# Altium PCB WunderBar_v102b _flip.PcbDoc (part 2 of 7)
Units mil, origin at the board's own origin, x right, y up, seen from the top; angles counter-clockwise.
Board outline 4556.01 x 1552 mil, 4 copper layers (Top, Route2, Route15, Bottom), stack 52.756 mil thick; 380 components, 258 nets, 1391 pads, 528 vias.
Unrouted connection lines stored in the file: 8.
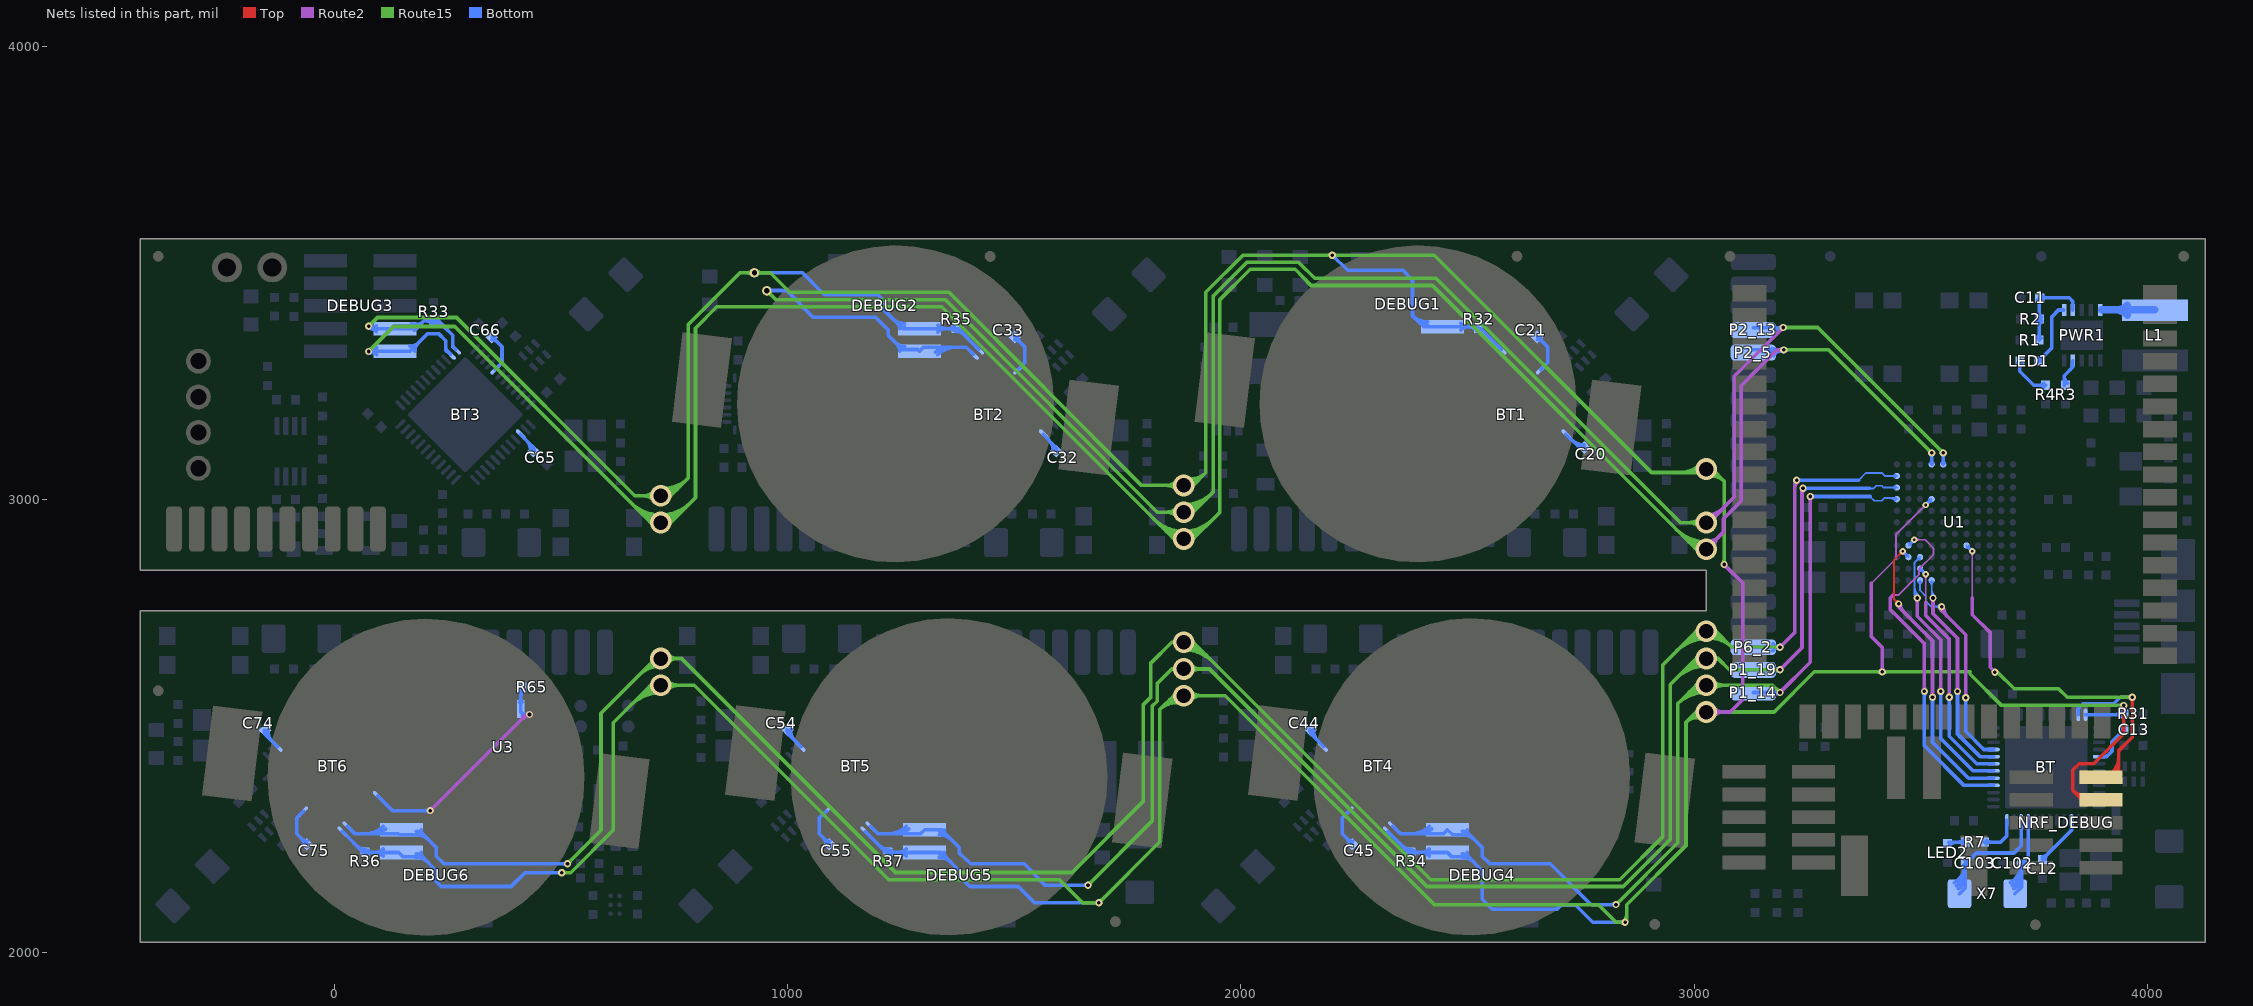
[diagram p4: the nets of this part, all layers, seen from the top]

## Via types
v1: diameter 16, hole 8, Top to Bottom, tented both sides, 282 vias
v2: diameter 24, hole 12, Top to Bottom, tented both sides, 135 vias
v3: diameter 14, hole 6, Top to Bottom, tented both sides, 34 vias
v4: diameter 48/41/41/48 (per signal layer), hole 32, Top to Bottom, 30 vias
v5: diameter 16, hole 8, Top to Route2, tented top, 18 vias
v6: diameter 21/21/21/21 (per signal layer), hole 12, Top to Bottom, tented both sides, 15 vias
v7: diameter 24, hole 12, Top to Route2, tented top, 12 vias
v8: diameter 21/21/21/21 (per signal layer), hole 12, Top to Bottom, 1 vias
v9: diameter 24, hole 8, Top to Bottom, tented both sides, 1 vias

## Nets (pads, with @x,y where several pads share a name; then routed paths per layer and width w, separated by ;. In a path a pad name is that pad's centre, name@x,y a point inside that pad or via, vN(x,y) a via of type N, cw(c..) or ccw(c..) an arc to the next point about the centre after c; other vN are vias at no path point) (continued)
BT2_SWDIO: BT2.23 DEBUG2.2 P2_13.1 U1.A7 | length 5381.5
  Route2 w8: v4@3026.52,2957.98 ccw(c3026.52,2992.99) 3051.27,2968.23 ; v4@3026.52,2965.98 ccw(c3026.52,3020.3) 3064.93,2981.89 ; v4@3032.48,2949.48 3047,2964 ; v4@3039.52,2956.48 3088.72,3005.68 3088.72,3272.16 v1(3196.52,3379.96) ; v4@3043.02,2949.48 cw(c3068.37,2949.48) 3050.44,2967.4 ; v1@3192.52,3379.96 cw(c3182.86,3379.96) 3189.69,3373.13 cw(c3196.52,3366.3) v1@3196.52,3375.96
  Route15 w8: v6@953.52,3454.98 cw(c953.52,3439.29) 964.62,3450.38 cw(c975.71,3461.48) v6@960.02,3461.48 ; v6(953.52,3461.48) 973.52,3441.48 1347.52,3441.48 1815.52,2972.48 v4(1873.52,2972.48) v4@1894.52,2972.48 ; v4@1861.85,2960.81 ccw(c1833.69,2932.65) 1833.69,2972.48 ccw(c1833.69,3012.31) v4@1861.85,2984.15 ; v4@1867.51,2966.47 ccw(c1853,2951.96) 1853,2972.48 ccw(c1853,2993) v4@1867.51,2978.49 ; v4@1873.52,2964.98 ccw(c1873.52,2997.57) v4@1896.57,2974.53 ; v4@1873.52,2972.98 ccw(c1873.52,3024.89) 1910.22,2988.18 ; v4@1873.52,2980.98 ccw(c1873.52,3052.2) 1923.88,3001.84 ; v4@1873.52,2988.98 ccw(c1873.52,3079.51) 1937.54,3015.5 ; v4@1889.55,2968.58 cw(c1894.52,2967.37) v4@1894.52,2972.48 ; v4@1889.55,2976.38 ccw(c1894.52,2977.59) v4@1894.52,2972.48 ; v4@3014.85,2937.81 ccw(c2986.69,2909.65) 2986.69,2949.48 ccw(c2986.69,2989.31) v4@3014.85,2961.15 ; v4@3020.51,2943.47 ccw(c3006,2928.96) 3006,2949.48 ccw(c3006,2970) v4@3020.51,2955.49 ; v4@3032.48,2949.48 v4(3026.52,2949.48) 2969.52,2949.48 2430.52,3488.48 2162.52,3488.48 2127.52,3523.48 2012.52,3523.48 1938.52,3449.48 1938.52,3016.48 v4@1894.52,2972.48 ; v1@3191.52,3379.96 3272.86,3379.96 v1(3549.64,3103.18) ; v1@3199.35,3377.13 cw(c3206.18,3370.3) 3206.18,3379.96 cw(c3206.18,3389.62) v1@3199.35,3382.79 ; v1@3545.64,3103.18 ccw(c3535.98,3103.18) 3542.81,3110.01 ccw(c3549.64,3116.84) v1@3549.64,3107.18
  Bottom w8: v6(953.52,3461.48) 997.52,3461.48 1055.52,3402.48 1193.52,3402.48 1221.52,3374.48 1221.52,3362.48 1252.52,3331.48 1286.52,3331.48 DEBUG2.2@1290.52,3327.48 1299.52,3336.48 1393.52,3336.48 BT2.23@1410.52,3320.48 ; v6@958.12,3456.88 cw(c969.21,3445.79) 969.21,3461.48 cw(c969.21,3477.17) v6@958.12,3466.08 ; 1236.68,3347.32 ccw(c1258.02,3368.66) DEBUG2.2@1258.02,3338.48 ; 1240.3,3343.7 cw(c1224.08,3327.48) DEBUG2.2@1247.02,3327.48 ; DEBUG2.2@1325.14,3325.36 cw(c1351.99,3298.51) 1351.99,3336.48 ; DEBUG2.2@1330.8,3319.7 cw(c1371.3,3279.2) 1371.3,3336.48 ; P2_13.1@3130.52,3379.48 3191.52,3379.48 ccw(c3191.52,3361.78) P2_13.1@3175.35,3368.98 ; P2_13.1@3172.57,3384.03 ccw(c3183.54,3395) 3183.54,3379.48 ; 3185.04,3377.74 cw(c3188.27,3365.68) v1@3194.52,3376.5 ; 3185.7,3379.48 ccw(c3185.7,3390.78) v1@3193.69,3382.79 ; 3188.02,3379.48 cw(c3188.02,3371.46) v1@3193.69,3377.13 ; v1@3546.81,3100.35 cw(c3539.98,3093.52) 3549.64,3093.52 cw(c3559.29,3093.52) v1@3552.46,3100.35 ; U1.A7@3547.51,3080.06 ccw(c3542.39,3085.18) 3549.64,3085.18 ccw(c3556.88,3085.18) U1.A7@3551.76,3080.06 ; U1.A7@3549.64,3077.94 v1(3549.64,3103.18)
BT3_SWDIO: BT3.23 DEBUG3.2 P2_5.1 U1.A8 | length 7310
  Route2 w8: v4(3026.52,2890.48) 3064.71,2928.67 3064.71,2957.67 3103.99,2996.95 3103.99,3251.99 3182.48,3330.48 v1(3197.52,3330.48) ; v4@3026.52,2898.98 ccw(c3026.52,2919.5) 3041.03,2904.99 ccw(c3055.54,2890.48) v4@3035.02,2890.48 ; v4@3026.52,2906.98 ccw(c3026.52,2946.81) 3054.69,2918.65 ccw(c3082.85,2890.48) v4@3043.02,2890.48 ; v1@3194.69,3327.65 ccw(c3187.86,3320.82) 3187.86,3330.48 ccw(c3187.86,3340.14) v1@3194.69,3333.31
  Route15 w8: v1(75,3327) 130,3382 265,3382 v4@697.52,2949.48 ; v1@75,3331 ccw(c75,3340.66) 81.83,3333.83 ccw(c88.66,3327) v1@79,3327 ; 653.8,2993.2 ccw(c719.52,3058.93) 719.52,2965.98 ccw(c719.52,3058.93) 785.24,2993.2 ; 667.45,2979.55 ccw(c719.52,3031.61) 719.52,2957.98 ccw(c719.52,3031.61) 771.59,2979.55 ; 681.11,2965.89 ccw(c719.52,3004.3) 719.52,2949.98 ccw(c719.52,3004.3) 757.93,2965.89 ; 694.77,2952.23 ccw(c719.52,2976.99) 719.52,2941.98 ccw(c719.52,2976.99) 744.27,2952.23 ; v4@703.68,2944.86 ccw(c697.52,2943.06) v4@697.52,2949.48 ; v4@703.68,2954.1 cw(c697.52,2955.9) v4@697.52,2949.48 ; v4@735.36,2944.86 cw(c741.52,2943.06) v4@741.52,2949.48 ; v4@735.36,2954.1 ccw(c741.52,2955.9) v4@741.52,2949.48 ; 1807.8,2957.2 ccw(c1873.52,3022.93) 1873.52,2929.98 ccw(c1873.52,3020.51) 1937.54,2956.5 ; 1821.45,2943.55 ccw(c1873.52,2995.61) 1873.52,2921.98 ccw(c1873.52,2993.2) 1923.88,2942.84 ; 1835.11,2929.89 ccw(c1873.52,2968.3) 1873.52,2913.98 ccw(c1873.52,2965.89) 1910.22,2929.18 ; 1848.77,2916.23 ccw(c1873.52,2940.99) 1873.52,2905.98 ccw(c1873.52,2938.57) v4@1896.57,2915.53 ; v4@1857.68,2908.86 ccw(c1851.52,2907.06) v4@1851.52,2913.48 ; v4@1857.68,2918.1 cw(c1851.52,2919.9) v4@1851.52,2913.48 ; v4@1889.55,2909.58 cw(c1894.52,2908.37) v4@1894.52,2913.48 ; v4@1889.55,2917.38 ccw(c1894.52,2918.59) v4@1894.52,2913.48 ; 2960.8,2934.2 ccw(c3026.52,2999.93) v4@3026.52,2906.98 ; 2974.45,2920.55 ccw(c3026.52,2972.61) v4@3026.52,2898.98 ; 2988.11,2906.89 ccw(c3026.52,2945.3) v4@3026.52,2890.98 ; 3001.77,2893.23 ccw(c3026.52,2917.99) v4@3026.52,2882.98 ; v4@3010.68,2885.86 ccw(c3004.52,2884.06) v4@3004.52,2890.48 ; v4@3010.68,2895.1 cw(c3004.52,2896.9) v4@3004.52,2890.48 ; v4(3026.52,2890.48) v4@3004.52,2890.48 ; v1(3197.52,3330.48) 3296.74,3330.48 v1(3524.04,3103.18) ; v1@3200.35,3327.65 cw(c3207.18,3320.82) 3207.18,3330.48 cw(c3207.18,3340.14) v1@3200.35,3333.31 ; v1@3520.04,3103.18 ccw(c3510.38,3103.18) 3517.21,3110.01 ccw(c3524.04,3116.84) v1@3524.04,3107.18 ; v4@697.52,2949.48 v4(719.52,2949.48) v4@741.52,2949.48 ; v4@741.52,2949.48 796.52,3004.48 796.52,3378.48 843.52,3425.48 1339.52,3425.48 v4@1851.52,2913.48 ; v4@1851.52,2913.48 v4(1873.52,2913.48) v4@1894.52,2913.48 ; v4@1894.52,2913.48 1953.52,2972.48 1953.52,3441.48 2020.52,3508.48 2119.52,3508.48 2154.52,3472.48 2422.52,3472.48 v4@3004.52,2890.48
  Bottom w8: v1@77,3323.54 cw(c82.62,3313.8) 85.53,3324.66 ; v1@77,3330.46 ccw(c81.04,3337.46) 83.13,3329.66 ; v1@77.83,3324.17 cw(c85.82,3316.18) 85.82,3327.48 ; v1@77.83,3329.83 ccw(c83.5,3335.5) 83.5,3327.48 ; v1@78.46,3325 cw(c88.2,3319.38) 85.29,3330.24 ; v1@78.46,3329 ccw(c85.45,3333.04) 83.37,3325.24 ; DEBUG3.2@93.13,3319.82 ccw(c75,3302.21) v1@75,3327.48 ; DEBUG3.2@93.13,3335.14 cw(c75,3352.75) v1@75,3327.48 ; DEBUG3.2@166.02,3338.48 ccw(c166.02,3366.24) 185.65,3346.61 ; DEBUG3.2@177.02,3327.48 cw(c202.37,3327.48) 184.44,3345.4 ; 245.52,3336.56 ccw(c259.21,3336.56) 249.53,3326.88 cw(c250.16,3331.48) 245.52,3331.48 ; BT3.23@256.52,3320.48 245.52,3331.48 ; P2_5.1@3130.52,3330.48 v1(3197.52,3330.48) ccw(c3197.52,3303.71) P2_5.1@3174.59,3317.52 ; P2_5.1@3167.73,3321.64 cw(c3183.36,3312.23) 3183.36,3330.48 ; P2_5.1@3172.57,3334.03 ccw(c3181.13,3342.59) 3181.13,3330.48 ; v1@3194.06,3332.48 cw(c3185.69,3337.31) 3188.19,3327.98 cw(c3190.69,3318.65) v1@3195.52,3327.02 ; v1@3194.69,3327.65 ccw(c3187.86,3320.82) 3187.86,3330.48 ccw(c3187.86,3340.14) v1@3194.69,3333.31 ; v1@3521.21,3100.35 cw(c3514.38,3093.52) 3524.04,3093.52 cw(c3533.69,3093.52) v1@3526.87,3100.35 ; U1.A8@3521.92,3080.05 ccw(c3516.79,3085.17) 3524.04,3085.17 ccw(c3531.28,3085.17) U1.A8@3526.16,3080.05 ; U1.A8@3524.04,3077.93 v1(3524.04,3103.18) ; v1@75,3327.48 166.52,3327.48 205.52,3366.48 229.52,3366.48 245.52,3350.48 245.52,3331.48
BT4_SWDIO: BT4.23 DEBUG4.2 P1_14.1 U1.D11 | length 2703.4
  Route2 w8: v1(3189.52,2574.48) 3256,2640.96 v1(3256,3007) ; v1@3189.52,2578.48 ccw(c3189.52,2588.14) 3196.35,2581.31 ccw(c3203.18,2574.48) v1@3193.52,2574.48 ; v1@3253.17,3004.17 cw(c3246.34,2997.34) 3256,2997.34 cw(c3265.66,2997.34) v1@3258.83,3004.17
  Route15 w8: v1(2827.52,2106.48) 2964,2242.96 2964,2549.96 ; v1@2827.52,2110.48 ccw(c2827.52,2120.14) 2834.35,2113.31 ccw(c2841.18,2106.48) v1@2831.52,2106.48 ; 2976.86,2562.82 cw(c3023.29,2516.39) v4@3026.15,2581.99 ; 2989.72,2575.68 cw(c3024.36,2541.03) v4@3026.5,2589.98 ; 3002.57,2588.53 cw(c3025.44,2565.67) v4@3026.85,2597.97 ; v4@3010.68,2585.86 ccw(c3004.52,2584.06) v4@3004.52,2590.48 ; v4@3010.68,2595.1 cw(c3004.52,2596.9) v4@3004.52,2590.48 ; v4@3025.8,2574 ccw(c3022.21,2491.76) 2964,2549.96 ; v4@3032.53,2584.47 cw(c3047.04,2569.96) 3047.04,2590.48 cw(c3047.04,2611) v4@3032.53,2596.49 ; v4@3038.19,2578.81 cw(c3066.35,2550.65) 3066.35,2590.48 cw(c3066.35,2630.31) v4@3038.19,2602.15 ; v1@3185.52,2574.48 ccw(c3175.86,2574.48) 3182.69,2581.31 ccw(c3189.52,2588.14) v1@3189.52,2578.48 ; v1(3189.52,2574.48) 3173.52,2590.48 v4(3026.52,2590.48) v4@3004.52,2590.48 ; 2964,2549.96 v4@3004.52,2590.48
  Bottom w4: 3388,3007 3397.21,2997.79 3414.29,2997.79 3420.29,3003.79 3444.66,3003.79 U1.D11@3447.26,3001.2 ; 3428.92,3003.79 cw(c3428.92,2982.86) U1.D11@3443.72,2997.66 ; 3438.58,3003.79 cw(c3438.58,2992.52) U1.D11@3446.55,3000.49
  Bottom w8: BT4.23@2335.52,2279.48 2352.52,2262.48 2446.52,2262.48 DEBUG4.2@2455.52,2271.48 2467.52,2260.48 2504.52,2260.48 ; 2374.74,2262.48 ccw(c2374.74,2319.76) DEBUG4.2@2415.24,2279.26 ; 2394.05,2262.48 ccw(c2394.05,2300.45) DEBUG4.2@2420.9,2273.6 ; DEBUG4.2@2488.02,2260.48 cw(c2488.02,2220.65) 2516.19,2248.81 ; DEBUG4.2@2488.02,2268.48 cw(c2488.02,2247.96) DEBUG4.2@2502.53,2262.47 ; DEBUG4.2@2493.5,2261.94 cw(c2498.05,2254.02) 2504.52,2260.48 ; v1@2824.69,2103.65 ccw(c2817.86,2096.82) 2817.86,2106.48 ccw(c2817.86,2116.14) v1@2824.69,2109.31 ; v1(2827.52,2106.48) 2772.52,2106.48 2682.52,2196.48 2549.52,2196.48 2532.52,2212.48 2532.52,2232.48 2504.52,2260.48 ; P1_14.1@3130.52,2574.48 v1(3189.52,2574.48) ; P1_14.1@3173.94,2566.54 cw(c3189.52,2555.22) v1(3189.52,2574.48) ; P1_14.1@3173.94,2582.42 ccw(c3189.52,2593.74) v1(3189.52,2574.48) ; v1@3186.06,2572.48 ccw(c3177.69,2567.65) 3180.19,2576.98 ccw(c3182.69,2586.31) v1@3187.52,2577.94 ; v1@3186.06,2576.48 cw(c3177.69,2581.31) 3180.19,2571.98 cw(c3182.69,2562.65) v1@3187.52,2571.02 ; v1@3186.69,2571.65 ccw(c3179.86,2564.82) 3179.86,2574.48 ccw(c3179.86,2584.14) v1@3186.69,2577.31 ; v1(3256,3007) 3388,3007 ; v1@3258.83,3004.17 cw(c3265.66,2997.34) 3265.66,3007 cw(c3265.66,3016.66) v1@3258.83,3009.83 ; DEBUG4.2@2499.02,2271.48 ccw(c2512.3,2271.48) 2502.91,2262.09 cw(c2512.3,2271.48) DEBUG4.2@2499.02,2271.48
BT5_SWDIO: BT5.23 DEBUG5.2 P1_19.1 U1.C11 | length 4438.2
  Route2 w8: v1(3189.52,2624.48) 3238,2672.96 3238,3023 v1(3240,3025) ; v1@3189.52,2628.48 ccw(c3189.52,2638.14) 3196.35,2631.31 ccw(c3203.18,2624.48) v1@3193.52,2624.48 ; 3238,3010.51 cw(c3254.49,3010.51) v1@3242.83,3022.17
  Route15 w8: v1(1662.52,2149.48) 1803.91,2290.87 1803.91,2543.87 1815.52,2555.48 1815.52,2594.48 1847.52,2626.48 ; v1@1662.52,2153.48 ccw(c1662.52,2163.14) 1669.35,2156.31 ccw(c1676.18,2149.48) v1@1666.52,2149.48 ; v4@1858.59,2619.46 ccw(c1847.52,2614.25) 1847.52,2626.48 ; v4@1858.59,2633.51 cw(c1847.52,2638.71) 1847.52,2626.48 ; v4@1879.53,2620.47 cw(c1894.04,2605.96) 1894.04,2626.48 cw(c1894.04,2647) v4@1879.53,2632.49 ; v4@1885.19,2614.81 cw(c1913.35,2586.65) 1913.35,2626.48 cw(c1913.35,2666.31) v4@1885.19,2638.15 ; 2960.8,2605.76 cw(c3026.52,2540.03) v4@3026.52,2632.98 ; 2974.45,2619.41 cw(c3026.52,2567.35) v4@3026.52,2640.98 ; 2988.11,2633.07 cw(c3026.52,2594.66) v4@3026.52,2648.98 ; 3001.77,2646.73 cw(c3026.52,2621.97) v4@3026.52,2656.98 ; v4@3010.68,2644.86 ccw(c3004.52,2643.06) v4@3004.52,2649.48 ; v4@3010.68,2654.1 cw(c3004.52,2655.9) v4@3004.52,2649.48 ; v4@3041.45,2642.46 cw(c3052.52,2637.25) 3052.52,2649.48 ; v4@3041.45,2656.51 ccw(c3052.52,2661.71) 3052.52,2649.48 ; v1@3186.69,2621.65 ccw(c3179.86,2614.82) 3179.86,2624.48 ccw(c3179.86,2634.14) v1@3186.69,2627.31 ; v1(3189.52,2624.48) 3077.52,2624.48 3052.52,2649.48 ; 1847.52,2626.48 v4(1873.52,2626.48) 1930.52,2626.48 2410.52,2146.48 2843.52,2146.48 2947,2249.96 2947,2591.96 v4@3004.52,2649.48 ; v4@3004.52,2649.48 v4(3026.52,2649.48) 3052.52,2649.48
  Bottom w4: 3387,3025 3396,3025 3401.77,3030.77 3413.72,3030.77 3417.72,3026.77 U1.C11@3447.26,3026.77 ; U1.C11@3443.72,3023.24 ccw(c3435.19,3014.7) 3435.19,3026.77 ccw(c3435.19,3038.84) U1.C11@3443.72,3030.31
  Bottom w8: BT5.23@1182.52,2279.48 1199.52,2262.48 1292.52,2262.48 1302.52,2271.48 1339.52,2271.48 1378.52,2232.48 1378.52,2220.48 1403.52,2196.48 1521.52,2196.48 1567.52,2149.48 v1(1662.52,2149.48) ; 1220.74,2262.48 ccw(c1220.74,2319.76) DEBUG5.2@1261.24,2279.26 ; 1240.05,2262.48 ccw(c1240.05,2300.45) DEBUG5.2@1266.9,2273.6 ; DEBUG5.2@1334.02,2260.48 cw(c1334.02,2220.65) 1362.19,2248.81 ; DEBUG5.2@1334.02,2268.48 cw(c1334.02,2247.96) DEBUG5.2@1348.53,2262.47 ; DEBUG5.2@1345.02,2271.48 ccw(c1358.3,2271.48) DEBUG5.2@1348.91,2262.09 ; v1@1659.69,2146.65 ccw(c1652.86,2139.82) 1652.86,2149.48 ccw(c1652.86,2159.14) v1@1659.69,2152.31 ; P1_19.1@3135.52,2624.48 v1(3189.52,2624.48) ; P1_19.1@3173.94,2616.54 cw(c3189.52,2605.22) v1(3189.52,2624.48) ; P1_19.1@3173.94,2632.42 ccw(c3189.52,2643.74) v1(3189.52,2624.48) ; v1@3186.06,2622.48 ccw(c3177.69,2617.65) 3180.19,2626.98 ccw(c3182.69,2636.31) v1@3187.52,2627.94 ; v1@3186.06,2626.48 cw(c3177.69,2631.31) 3180.19,2621.98 cw(c3182.69,2612.65) v1@3187.52,2621.02 ; v1@3186.69,2621.65 ccw(c3179.86,2614.82) 3179.86,2624.48 ccw(c3179.86,2634.14) v1@3186.69,2627.31 ; v1(3240,3025) 3387,3025 ; v1@3242.83,3022.17 cw(c3249.66,3015.34) 3249.66,3025 cw(c3249.66,3034.66) v1@3242.83,3027.83
BT6_SWDIO: BT6.23 DEBUG6.2 P6_2.1 U1.B11 | length 6676.6
  Route2 w8: v1(3189.52,2674.48) 3222,2706.96 3222,3039 v1(3226,3043) ; v1@3189.52,2678.48 ccw(c3189.52,2688.14) 3196.35,2681.31 ccw(c3203.18,2674.48) v1@3193.52,2674.48 ; 3222,3023.69 cw(c3245.31,3023.69) v1@3228.83,3040.17
  Route15 w8: v1(514,2196.5) 588,2270.5 588,2529 708.48,2649.48 v4(719.52,2649.48) 765.52,2649.48 1237.52,2177.48 1627.52,2177.48 1784,2333.96 1784,2546.96 1800.52,2563.48 1800.52,2638.48 1847.52,2685.48 ; v1@514,2200.5 ccw(c514,2210.16) 520.83,2203.33 ccw(c527.66,2196.5) v1@518,2196.5 ; 672.51,2613.51 cw(c719.52,2566.49) v4@719.52,2632.98 ; 686.16,2627.16 cw(c719.52,2593.81) v4@719.52,2640.98 ; v4@699.16,2640.16 ccw(c689.84,2649.48) v4@703.02,2649.48 ; v4@699.82,2640.82 cw(c719.52,2621.12) v4@719.52,2648.98 ; v4@725.53,2643.47 cw(c740.04,2628.96) 740.04,2649.48 cw(c740.04,2670) v4@725.53,2655.49 ; v4@731.19,2637.81 cw(c759.35,2609.65) 759.35,2649.48 cw(c759.35,2689.31) v4@731.19,2661.15 ; v4@1858.59,2678.46 ccw(c1847.52,2673.25) 1847.52,2685.48 ; v4@1858.59,2692.51 cw(c1847.52,2697.71) 1847.52,2685.48 ; v4@1873.52,2668.98 cw(c1873.52,2578.45) 1937.54,2642.46 ; v4@1873.52,2676.98 cw(c1873.52,2605.76) 1923.88,2656.12 ; v4@1873.52,2684.98 cw(c1873.52,2633.07) 1910.22,2669.78 ; v4@1873.52,2692.98 cw(c1873.52,2660.39) v4@1896.57,2683.43 ; v4@1889.55,2681.58 cw(c1894.52,2680.37) v4@1894.52,2685.48 ; v4@1889.55,2689.38 ccw(c1894.52,2690.59) v4@1894.52,2685.48 ; 2960.8,2665.76 cw(c3026.52,2600.03) v4@3026.52,2692.98 ; 2974.45,2679.41 cw(c3026.52,2627.35) v4@3026.52,2700.98 ; 2988.11,2693.07 cw(c3026.52,2654.66) v4@3026.52,2708.98 ; 3001.77,2706.73 cw(c3026.52,2681.97) v4@3026.52,2716.98 ; v4@3010.68,2704.86 ccw(c3004.52,2703.06) v4@3004.52,2709.48 ; v4@3010.68,2714.1 cw(c3004.52,2715.9) v4@3004.52,2709.48 ; v4@3025.42,2716.9 cw(c3029.43,2689.76) v4@3049.02,2708.97 ; v4@3026.59,2708.99 cw(c3032.27,2670.53) 3060.03,2697.75 ; v4@3027.76,2701.07 cw(c3035.11,2651.3) 3071.03,2686.53 ; v4@3028.93,2693.16 cw(c3037.95,2632.08) 3082.03,2675.31 ; v4@3042.36,2704.86 cw(c3048.52,2703.06) v4@3048.52,2709.48 ; v4@3042.36,2714.1 ccw(c3048.52,2715.9) v4@3048.52,2709.48 ; v1@3186.66,2671.68 ccw(c3179.77,2664.92) 3179.86,2674.57 ccw(c3179.96,2684.23) v1@3186.72,2677.34 ; v1(3189.52,2674.48) 3081.82,2675.53 v4@3048.52,2709.48 ; 1847.52,2685.48 v4(1873.52,2685.48) v4@1894.52,2685.48 ; v4@1894.52,2685.48 2418.52,2161.48 2835.52,2161.48 2931,2256.96 2931,2635.96 v4@3004.52,2709.48 ; v4@3004.52,2709.48 v4(3026.52,2709.48) v4@3048.52,2709.48
  Bottom w4: 3363,3042.91 3379.09,3059 3414,3059 3420.65,3052.35 U1.B11@3447.26,3052.35 ; U1.B11@3443.72,3048.81 ccw(c3435.19,3040.28) 3435.19,3052.35 ccw(c3435.19,3064.42) U1.B11@3443.72,3055.88
  Bottom w8: BT6.23@28.44,2279.15 45.09,2262.5 140.5,2262.5 142.5,2260.5 196.5,2260.5 ; 66.75,2262.5 ccw(c66.75,2319.75) DEBUG6.2@107.23,2279.27 ; 86.06,2262.5 ccw(c86.06,2300.44) DEBUG6.2@112.89,2273.61 ; DEBUG6.2@180.01,2260.49 cw(c180.01,2220.66) 208.18,2248.82 ; DEBUG6.2@180.01,2268.49 cw(c180.01,2247.97) DEBUG6.2@194.52,2262.48 ; DEBUG6.2@185.5,2261.96 cw(c190.05,2254.05) 196.5,2260.5 ; v1@511.17,2193.67 ccw(c504.34,2186.84) 504.34,2196.5 ccw(c504.34,2206.16) v1@511.17,2199.33 ; v1(514,2196.5) 241.5,2196.5 224.5,2213.5 224.5,2232.5 196.5,2260.5 ; P6_2.1@3130.52,2674.48 v1(3189.52,2674.48) ; P6_2.1@3173.94,2666.54 cw(c3189.52,2655.22) v1(3189.52,2674.48) ; P6_2.1@3173.94,2682.42 ccw(c3189.52,2693.74) v1(3189.52,2674.48) ; v1@3186.06,2672.48 ccw(c3177.69,2667.65) 3180.19,2676.98 ccw(c3182.69,2686.31) v1@3187.52,2677.94 ; v1@3186.06,2676.48 cw(c3177.69,2681.31) 3180.19,2671.98 cw(c3182.69,2662.65) v1@3187.52,2671.02 ; v1@3186.69,2671.65 ccw(c3179.86,2664.82) 3179.86,2674.48 ccw(c3179.86,2684.14) v1@3186.69,2677.31 ; v1@3226,3042.91 3363,3042.91 ; v1@3228.83,3040.17 cw(c3235.43,3033.57) 3235.43,3042.91 ; v1@3228.83,3045.83 ccw(c3235.89,3052.89) 3235.89,3042.91 ; DEBUG6.2@191.01,2271.49 ccw(c204.29,2271.49) 194.9,2262.1 cw(c204.29,2271.49) DEBUG6.2@191.01,2271.49
BT_LED: BT.48 R7.1 | length 112.6
  Bottom w8: R7.1@3640.19,2244.48 3676.48,2244.48 3689.91,2257.91 BT.48@3689.91,2292.48 ; R7.1@3644.43,2240.24 cw(c3654.67,2229.99) 3654.67,2244.48 cw(c3654.67,2258.97) R7.1@3644.43,2248.72
BT_LED1: LED2.A R7.2 | length 78.7
  Bottom w8: LED2.A@3561.52,2244.48 R7.2@3598.52,2244.48 ; LED2.A@3563.28,2237.43 cw(c3580.31,2220.4) 3580.31,2244.48 ; R7.2@3594.28,2240.24 ccw(c3584.03,2229.99) 3584.03,2244.48 ccw(c3584.03,2258.97) R7.2@3594.28,2248.72
BT_MCU_GP1: BT.6 U1.J9 | length 707.6
  Route2 w8: v1@3489.17,2780.17 cw(c3482.34,2773.34) 3492,2773.34 cw(c3501.66,2773.34) v1@3494.83,2780.17 ; v1(3492,2783) 3492,2743 3544,2691 v1(3544,2577) ; v1@3541.17,2579.83 ccw(c3534.34,2586.66) 3544,2586.66 ccw(c3553.66,2586.66) v1@3546.83,2579.83
  Bottom w4: 3485.95,2792.77 ccw(c3501.77,2792.77) v1@3490.59,2781.59 ; 3485.95,2802.42 ccw(c3511.42,2802.42) v1@3493.41,2784.41 ; 3485.95,2812.08 ccw(c3521.08,2812.08) v1@3496.24,2787.24 ; v1@3486.57,2785.55 ccw(c3483.77,2786.86) 3485.95,2789.05 ; v1@3489.45,2788.43 cw(c3488.14,2791.23) 3485.95,2789.05 ; v1(3492,2783) 3485.95,2789.05 ; U1.J9@3493.45,2873.23 cw(c3481.38,2873.23) 3489.92,2864.69 cw(c3498.45,2856.16) U1.J9@3498.45,2868.23 ; U1.J9@3498.45,2873.23 3485.95,2860.73 3485.95,2789.05
  Bottom w8: v1@3541.17,2574.17 cw(c3534.34,2567.34) 3544,2567.34 cw(c3553.66,2567.34) v1@3546.83,2574.17 ; v1(3544,2577) 3544,2473 3615.52,2401.48 BT.6@3660.38,2401.48 BT.6@3660.52,2401.48
BT_MCU_GP2: BT.8 U1.L8 | length 558.3
  Route2 w8: v1@3524.17,2780.17 cw(c3517.34,2773.34) 3527,2773.34 cw(c3536.66,2773.34) v1@3529.83,2780.17 ; v1(3527,2783) 3527,2748 3581,2694 v1(3581,2577) ; v1@3578.17,2579.83 ccw(c3571.34,2586.66) 3581,2586.66 ccw(c3590.66,2586.66) v1@3583.83,2579.83
  Bottom w4: U1.L8@3520.5,2818.55 cw(c3511.97,2810.02) 3524.04,2810.02 cw(c3536.11,2810.02) U1.L8@3527.57,2818.55 ; 3524.04,2794.98 ccw(c3538.98,2794.98) v1@3528.41,2784.41 ; 3524.04,2804.64 ccw(c3548.64,2804.64) v1@3531.24,2787.24 ; U1.L8@3524.04,2822.09 3524.04,2785.96 v1(3527,2783)
  Bottom w8: v1@3578.17,2574.17 cw(c3571.34,2567.34) 3581,2567.34 cw(c3590.66,2567.34) v1@3583.83,2574.17 ; v1(3581,2577) 3581,2483 3630.9,2433.1 BT.8@3660.38,2433.1
BT_SPI_MISO: BT.4 U1.H10 | length 888.9
  Route2 w4: 3439.33,2789.99 3451.34,2789.99 3495.9,2834.56 3495.9,2846.57 3528.07,2878.74 3528.07,2892.99 3509.43,2911.63 v3(3485.66,2911.63) ; v3@3489.2,2908.09 cw(c3497.73,2899.56) 3497.73,2911.63 cw(c3497.73,2923.7) v3@3489.2,2915.17
  Route2 w8: 3439.33,2789.99 3433,2783.67 3433,2757 3508,2682 v1(3508,2577) ; v1@3505.17,2579.83 ccw(c3498.34,2586.66) 3508,2586.66 ccw(c3517.66,2586.66) v1@3510.83,2579.83